# Altium PCB SafeBox_GATE.PcbDoc
Units mm, origin at the board's own origin, x right, y up, seen from the top; angles counter-clockwise.
Board outline 71.12 x 76.68 mm, 2 copper layers (Top Layer, Bottom Layer); 60 components, 94 nets, 266 pads, 34 vias.
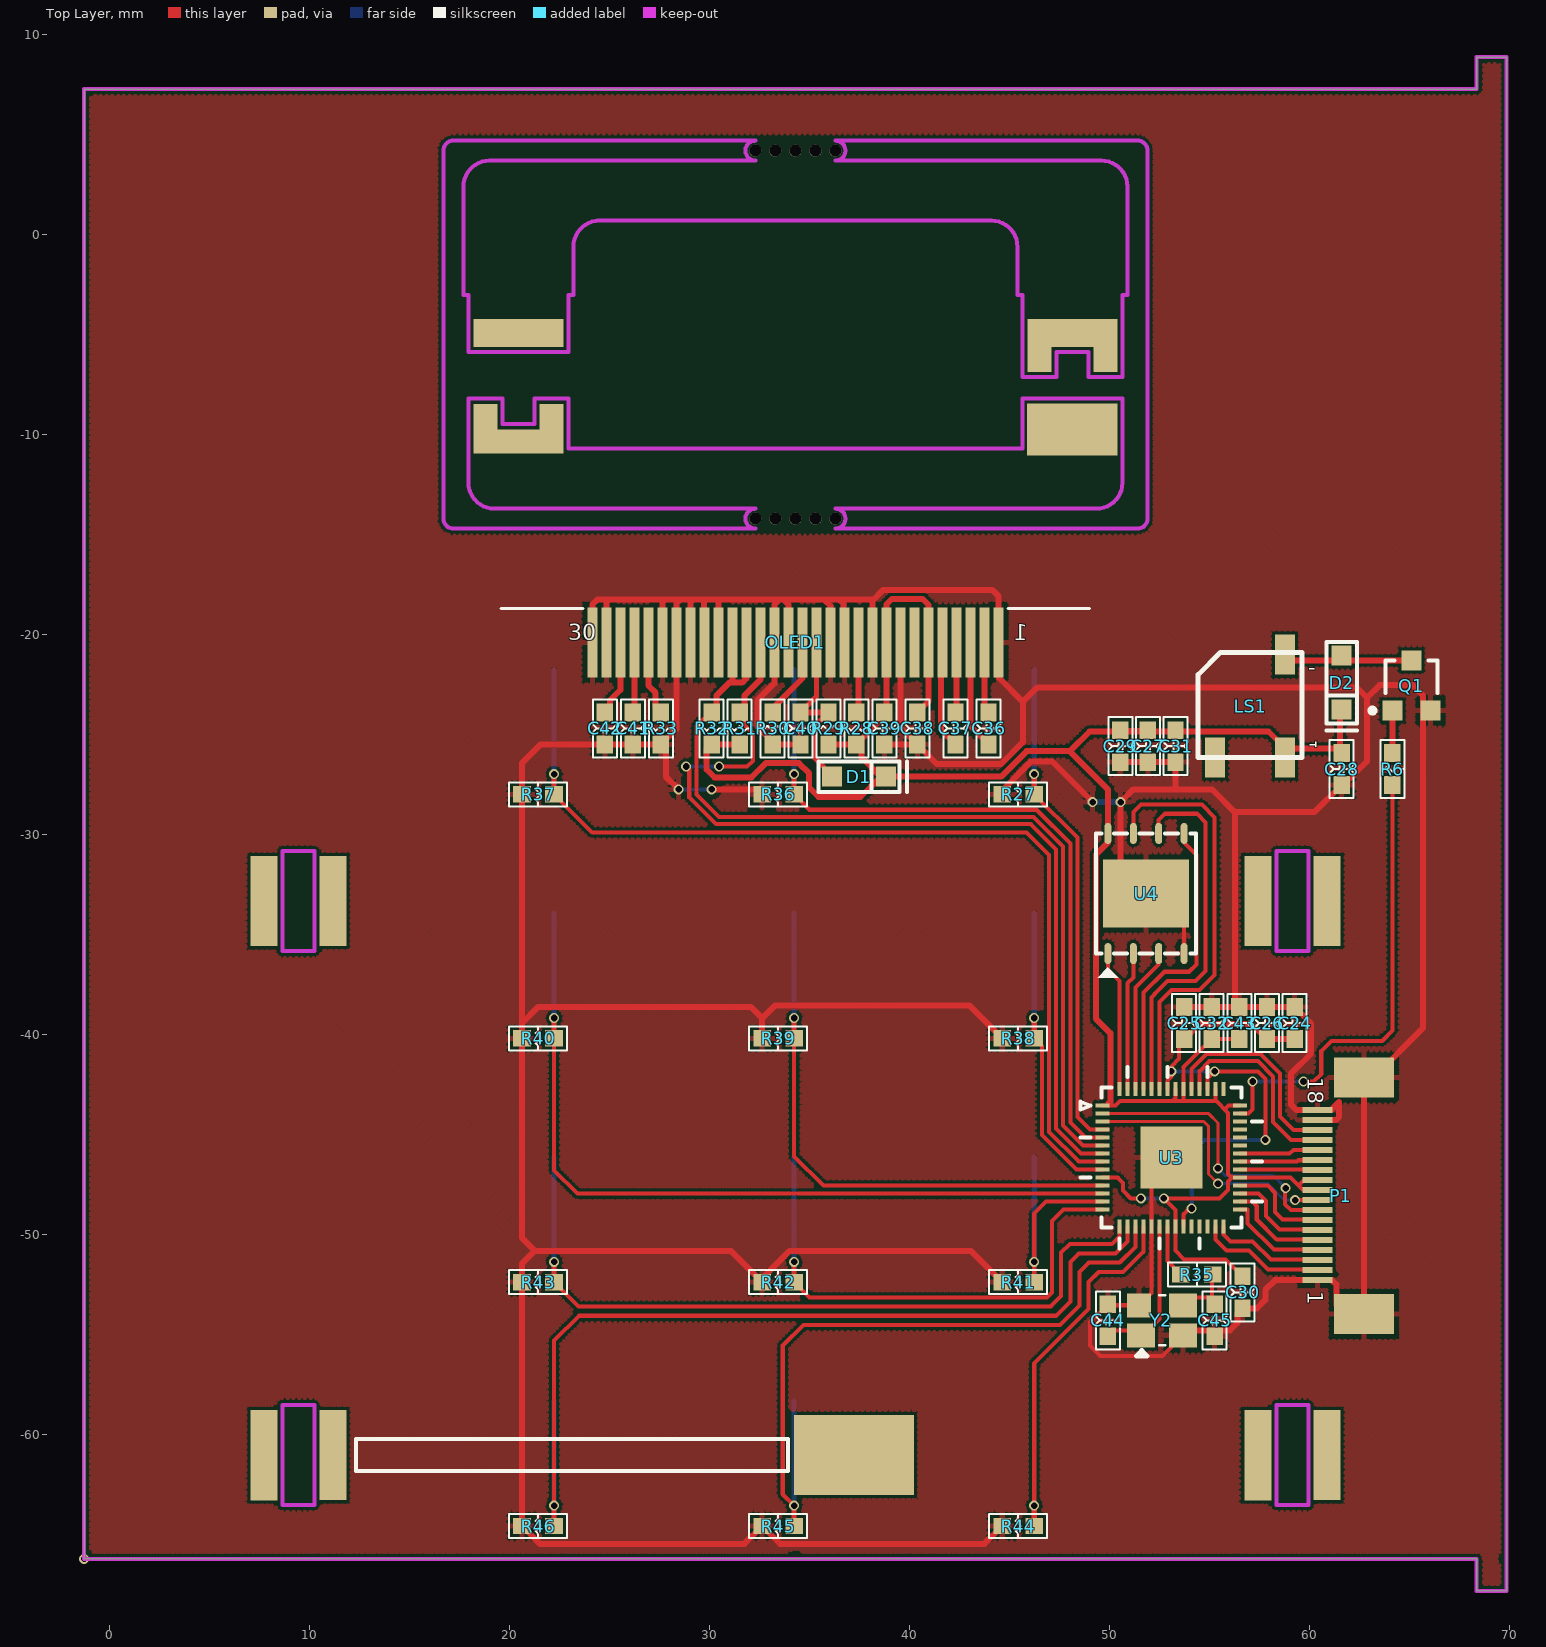
[diagram p0: Top Layer view]
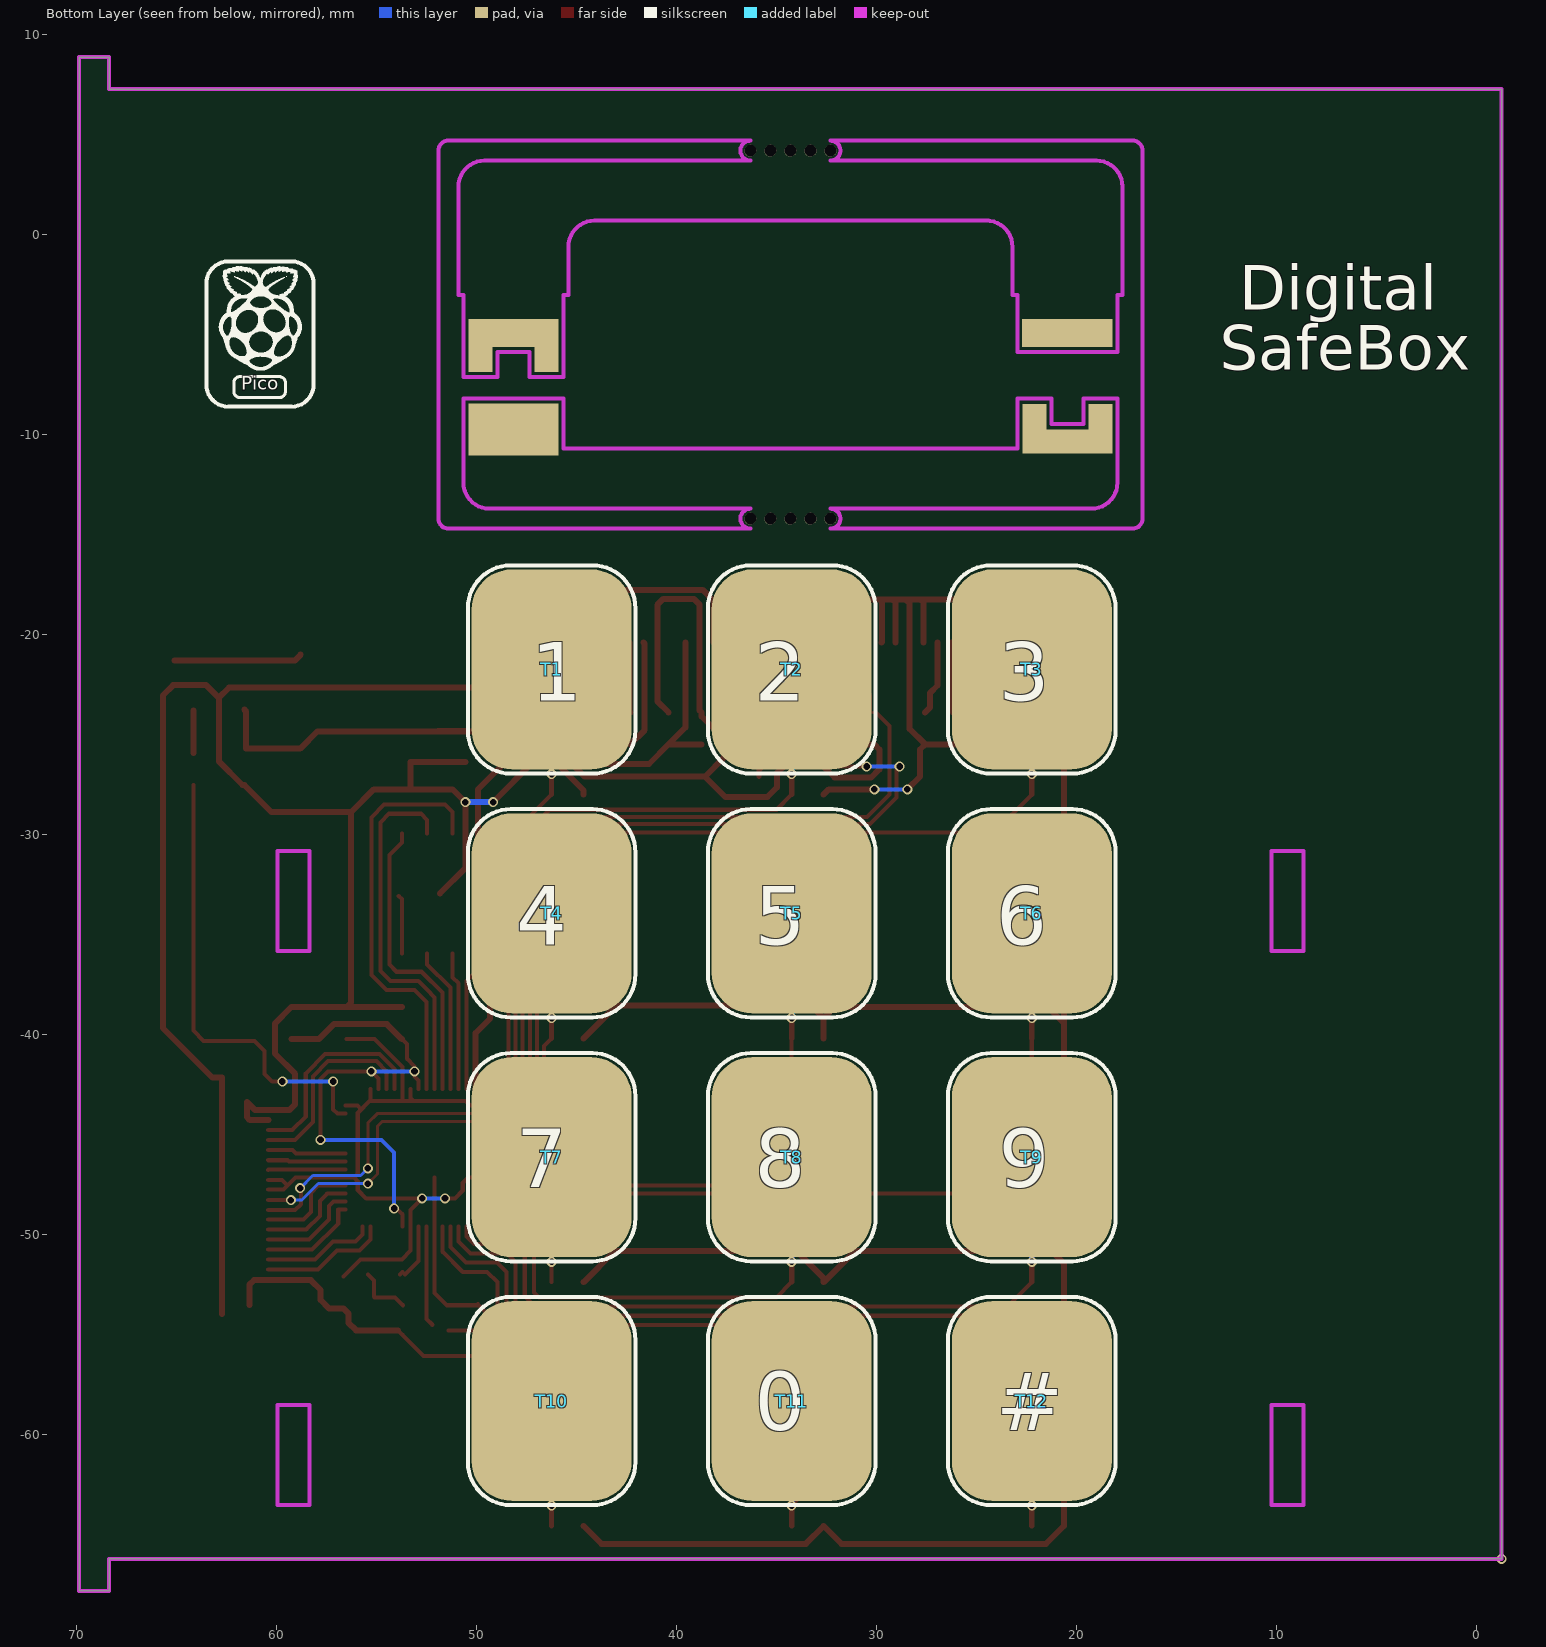
[diagram p1: Bottom Layer view, seen from below]

## Layer stack, top to bottom
Top Layer: signal copper 0.0356
Dielectric: dielectric 0.32, FR-4, Dk 4.8
Bottom Layer: signal copper 0.0356

## Board outline
69.85,-67.81 69.85,8.865 68.35,8.865 68.35,7.265 -1.27,7.265 -1.27,-66.21 68.35,-66.21 68.35,-67.81

## Design rules (kind name [scope] priority, off if disabled: settings)
Clearance [All] p1: gap=0.152
PolygonConnect [All] p1: connectstyle=Relief reliefconductorwidth=0.254 reliefentries=4 polygonreliefangle="90 Angle" airgapwidth=0.254
RoutingVias [All] p1: holewidth=0.711 width=1.27 viastyle="Through Hole" minholewidth=0.711 minwidth=1.27 maxholewidth=0.711 maxwidth=1.27
SolderMaskExpansion [All] p1: expansion=0.102
Width [All] p1: maxlimit=0.3 minlimit=0.152 preferedwidth=0.254
28 further rules are at their usual default settings.

## Components (designator, comment, footprint, x,y, rotation, side; value= is the part's Value field where it differs from the comment)
C24 "1uF" 0603-C 59.245,-39.424 r270 top
C25 "100nF" 0603-C 53.721,-39.424 r270 top
C26 "100nF" 0603-C 57.864,-39.424 r270 top
C27 "22uF" 0603-C 51.911,-25.581 r90 top
C28 "100nF" 0603-C 61.595,-26.724 r90 top
C29 "100nF" 0603-C 50.53,-25.581 r90 top
C30 "100nF" 0603-C 56.642,-52.886 r90 top
C31 "100nF" 0603-C 53.292,-25.581 r90 top
C32 "100nF" 0603-C 55.102,-39.424 r270 top
C36 "1uF" 0603-C 43.942,-24.692 r270 top
C37 "1uF" 0603-C 42.291,-24.692 r270 top
C38 "1uF" 0603-C 40.386,-24.692 r270 top
C39 "1uF" 0603-C 38.735,-24.692 r270 top
C40 "2.2uF" 0603-C 34.544,-24.692 r270 top
C41 "4.7uF" 0603-C 26.162,-24.692 r270 top
C42 "2.2uF" 0603-C 24.765,-24.692 r270 top
C43 "100nF" 0603-C 56.483,-39.424 r270 top
C44 "15pF" 0603-C 49.911,-54.283 r90 top
C45 "15pF" 0603-C 55.245,-54.283 r270 top
D1 "1N4148" SOD-323(1-C,2-A) 37.465,-27.105 r0 top
D2 "1N4148" SOD-323(1-C,2-A) 61.595,-22.406 r270 top
LS1 "Buzzer" "Buzzer 5020 SMT" 57.023,-23.549 r0 top
OLED1 "SSD1306" OLED1.3_SSD1306 34.29,-13.389 r180 top locked
P1 "Header 20" FPC_18PIN 60.396,-48.025 r270 top
Q1 "8050" SOT-23-3 65.024,-22.66 r0 top
R6 "1K" 0603-R 64.135,-26.724 r270 top
R27 "1K" 0603-R 45.428,-27.994 r0 top
R28 "4.7K" 0603-R 37.338,-24.692 r90 top
R29 "4.7K" 0603-R 35.941,-24.692 r270 top
R30 "4.7K" 0603-R 33.147,-24.692 r270 top
R31 "4.7K" 0603-R 31.496,-24.692 r90 top
R32 "4.7K" 0603-R 30.099,-24.692 r90 top
R33 "910K" 0603-R 27.559,-24.692 r90 top
R35 "1K" 0603-R 54.356,-51.997 r180 top
R36 "1K" 0603-R 33.426,-27.994 r0 top
R37 "1K" 0603-R 21.425,-27.994 r0 top
R38 "1K" 0603-R 45.428,-40.186 r0 top
R39 "1K" 0603-R 33.426,-40.186 r0 top
R40 "1K" 0603-R 21.425,-40.186 r0 top
R41 "1K" 0603-R 45.428,-52.378 r0 top
R42 "1K" 0603-R 33.426,-52.378 r0 top
R43 "1K" 0603-R 21.425,-52.378 r0 top
R44 "1K" 0603-R 45.428,-64.57 r0 top
R45 "1K" 0603-R 33.426,-64.57 r0 top
R46 "1K" 0603-R 21.425,-64.57 r0 top
T1 "TOUCH PADS" "Touch PADS" 46.228,-21.744 r180 bottom
T2 "TOUCH PADS" "Touch PADS" 34.227,-21.744 r180 bottom
T3 "TOUCH PADS" "Touch PADS" 22.225,-21.744 r180 bottom
T4 "TOUCH PADS" "Touch PADS" 46.228,-33.936 r180 bottom
T5 "TOUCH PADS" "Touch PADS" 34.227,-33.936 r180 bottom
T6 "TOUCH PADS" "Touch PADS" 22.225,-33.936 r180 bottom
T7 "TOUCH PADS" "Touch PADS" 46.228,-46.128 r180 bottom
T8 "TOUCH PADS" "Touch PADS" 34.227,-46.128 r180 bottom
T9 "TOUCH PADS" "Touch PADS" 22.225,-46.128 r180 bottom
T10 "TOUCH PADS" "Touch PADS" 46.228,-58.32 r180 bottom
T11 "TOUCH PADS" "Touch PADS" 34.227,-58.32 r180 bottom
T12 "TOUCH PADS" "Touch PADS" 22.225,-58.32 r180 bottom
U3 "RP2040" QFN56(0.4/7X7) 53.086,-46.155 r0 top locked
U4 "W25Q16JVZPIM" WSON8(6X5_1.27) 51.816,-32.947 r90 top
Y2 "12MHz" OSC-TZ1067B 52.618,-54.283 r0 top

## Footprints (in the part's own frame and the unit in brackets; to place one, negate y for a bottom-side part, rotate by r counter-clockwise, add the part's x,y. Pads: shape width x height; smd on the part's side, far side on the other; paste and mask are expansions set on the pad)
0603-C [mm]
  rect 0.89x0.82 smd: 1(-0.8,0) 2(0.8,0)
  silkscreen extent -1.45,-0.6 1.45,0.6, body extent -0.93,-0.41 0.93,0.41, height 0.81
0603-R [mm]
  rect 0.89x0.82 smd: 1(-0.8,0) 2(0.8,0)
  silkscreen extent -1.45,-0.6 1.45,0.6, body extent -0.82,-0.41 0.82,0.41, height 0.46
"Buzzer 5020 SMT" [mm] "Buzzer 5020 SMT"
  rect 1x2 smd: 1(1.75,2.54) 2(1.75,-2.6) ""(-1.75,-2.6)
  silkscreen extent -2.6,-2.6 2.6,2.66, body extent -2.6,-2.6 2.6,2.6, height 2.1
FPC_18PIN [mm] "FPC_18PIN"
  rect 0.3x1.5 smd: 1(4.25,0) 2(3.75,0) 3(3.25,0) 4(2.75,0) 5(2.25,0) 6(1.75,0) 7(1.25,0) 8(0.75,0) 9(0.25,0) 10(-0.25,0) 11(-0.75,0) 12(-1.25,0) 13(-1.75,0) 14(-2.25,0) 15(-2.75,0) 16(-3.25,0) 17(-3.75,0) 18(-4.25,0)
  rect 2x3 smd: 19(5.94,2.325) 20(-5.881,2.325)
  body extent -5.48,0.56 5.52,3.56, height 1.2
OLED1.3_SSD1306 [mm] "OLED1.3_SSD1306"
  rect 0.5x3.5 smd: 1(-10.15,7) 2(-9.45,7) 3(-8.75,7) 4(-8.05,7) 5(-7.35,7) 6(-6.65,7) 7(-5.95,7) 8(-5.25,7) 9(-4.55,7) 10(-3.85,7) 11(-3.15,7) 12(-2.45,7) 13(-1.75,7) 14(-1.05,7) 15(-0.35,7) 16(0.35,7) 17(1.05,7) 18(1.75,7) 19(2.45,7) 20(3.15,7) 21(3.85,7) 22(4.55,7) 23(5.25,7) 24(5.95,7) 25(6.65,7) 26(7.35,7) 27(8.05,7) 28(8.75,7) 29(9.45,7) 30(10.15,7)
  silkscreen extent -14.71,5.3 14.71,5.3
OSC-TZ1067B [mm]
  rect 1.4x1.2 smd: 1(-1.05,-0.75) 2(1.05,-0.75) 3(1.05,0.75)
  rect 1.2x1.2 smd: 4(-1.15,0.75)
  silkscreen extent -1.27,-1.78 0.15,1.25, body extent -1.7,-1.35 1.7,1.35, height 1.06
QFN56(0.4/7X7) [mm]
  rect 0.7x0.2 smd: 1(-3.44,2.6) 2(-3.44,2.2) 3(-3.44,1.8) 4(-3.44,1.4) 5(-3.44,1) 6(-3.44,0.6) 7(-3.44,0.2) 8(-3.44,-0.2) 9(-3.44,-0.6) 10(-3.44,-1) 11(-3.44,-1.4) 12(-3.44,-1.8) 13(-3.44,-2.2) 14(-3.44,-2.6) 29(3.44,-2.6) 30(3.44,-2.2) 31(3.44,-1.8) 32(3.44,-1.4) 33(3.44,-1) 34(3.44,-0.6) 35(3.44,-0.2) 36(3.44,0.2) 37(3.44,0.6) 38(3.44,1) 39(3.44,1.4) 40(3.44,1.8) 41(3.44,2.2) 42(3.44,2.6)
  rect 0.2x0.7 smd: 15(-2.6,-3.44) 16(-2.2,-3.44) 17(-1.8,-3.44) 18(-1.4,-3.44) 19(-1,-3.44) 20(-0.6,-3.44) 21(-0.2,-3.44) 22(0.2,-3.44) 23(0.6,-3.44) 24(1,-3.44) 25(1.4,-3.44) 26(1.8,-3.44) 27(2.2,-3.44) 28(2.6,-3.44) 43(2.6,3.44) 44(2.2,3.44) 45(1.8,3.44) 46(1.4,3.44) 47(1,3.44) 48(0.6,3.44) 49(0.2,3.44) 50(-0.2,3.44) 51(-0.6,3.44) 52(-1,3.44) 53(-1.4,3.44) 54(-1.8,3.44) 55(-2.2,3.44) 56(-2.6,3.44)
  rect 3.1x3.1 smd: 57(0,0)
  silkscreen extent -4.54,-4.54 4.54,4.54, body extent -3.5,-3.5 3.5,3.5, height 0.8
SOD-323(1-C,2-A) [mm]
  rect 1x1 smd: 1(1.35,0) 2(-1.35,0)
  silkscreen extent -2.03,-0.76 2.4,0.76, body extent -1.35,-0.68 1.35,0.67, height 0.79
SOT-23-3 [mm]
  rect 1x1 smd: 1(-0.889,-1.143) 2(1.011,-1.143) 3(0.061,1.357)
  silkscreen extent -2.01,-1.27 1.36,1.36, body extent -1.39,-1.29 1.51,1.51, height 1.2
"Touch PADS" [mm] "Touch PADS"
  rrect50% 8x10 smd: 1(0,0)
  silkscreen extent -4.19,-5.21 4.19,5.21
WSON8(6X5_1.27) [mm]
  oval 1.05x0.35 smd mask+0.05: 1(-3,1.905) 2(-3,0.635) 3(-3,-0.635) 4(-3,-1.905) 5(3,-1.905) 6(3,-0.635) 7(3,0.635) 8(3,1.905)
  rect 3.4x4.3 smd mask+0.05: 9(0,0)
  silkscreen extent -4.2,-2.5 3,2.5, body extent -3,-2.5 3,2.5, height 0.8

## Part data
C24 C25 C26 C27 C28 C29 C30 C31 C32 C36 C37 C38 C39 C40 C41 C42 C43 C44 C45: library part CAP-0402, "Ceramic CAP 0402(1005)"
D1 D2: library part DIODE-BAT60A, "Silicon Schottky Diode"
LS1: "Magnetic Transducer Buzzer"
P1: "Header, 20-Pin"
Q1: library part NPN, "NPN Bipolar Transistor"
R6 R27 R28 R29 R30 R31 R32 R33 R35 R36 R37 R38 R39 R40 R41 R42 R43 R44 R45 R46: library part RES-0402, "0603-R"
U3: "Raspverry Pi, Dual ARM Cortex-M0+ @ 133MHz"
U4: "3V 16M-BIT / SERIAL FLASH MEMORY WITH / DUAL/QUAD SPI, QPI & DTR"
Y2: library part OSC-TZ1067B-12MHz, "X-tal 12MHz,3.2x2.5 SMD, CL=20pF"

## Free pads (board coordinates)
  rect 0.6x0.6 on Bottom Overlay: 2(44.776,-59.046) 2(44.776,-57.594) 2(45.502,-58.32) 2(46.228,-59.772) 2(46.228,-59.046) 2(46.228,-58.32) 2(46.228,-57.594) 2(46.228,-56.868) 2(46.954,-58.32) 2(47.68,-59.046) 2(47.68,-57.594)
  rect 1.35x4.51 smd: ""(7.715,-61.029) ""(7.715,-33.328) ""(11.176,-61.025) ""(11.176,-33.325) ""(57.404,-61.029) ""(57.404,-33.328) ""(60.865,-61.025) ""(60.865,-33.325)
  rect 1.2x2.4 smd: ""(18.796,-9.664) ""(22.098,-9.664) ""(46.482,-5.68) ""(49.784,-5.68)
  rect 1.2x2.4 smd far side: ""(18.796,-9.664) ""(22.098,-9.664) ""(46.482,-5.68) ""(49.784,-5.68)
  rect 4.502x1.2 smd: ""(20.447,-10.341)
  rect 4.502x1.2 smd far side: ""(20.447,-10.341)
  rect 4.51x1.4 smd: ""(20.447,-4.927)
  rect 4.51x1.4 smd far side: ""(20.447,-4.927)
  round 0.6 hole 0.6 unplated: ""(32.289,-14.207) ""(32.289,4.193) ""(33.29,-14.207) ""(33.29,4.193) ""(34.29,-14.207) ""(34.29,4.193) ""(35.29,-14.207) ""(35.29,4.193) ""(36.291,-14.207) ""(36.291,4.193)
  rect 6x4 smd: ""(37.211,-61.027)
  rect 4.51x2.6 smd: ""(48.133,-9.747)
  rect 4.51x2.6 smd far side: ""(48.133,-9.747)
  rect 4.502x1.4 smd: ""(48.133,-4.927)
  rect 4.502x1.4 smd far side: ""(48.133,-4.927)

## Via types
v1: diameter 0.5, hole 0.33, Top Layer to Bottom Layer, tented both sides, 34 vias

## Nets (pads, with @x,y where several pads share a name; then routed paths per layer and width w, separated by ;. In a path a pad name is that pad's centre, name@x,y a point inside that pad or via, vN(x,y) a via of type N, cw(c..) or ccw(c..) an arc to the next point about the centre after c; other vN are vias at no path point)
1V1: C24.2 C25.2 C26.2 U3.23 U3.45 U3.50 | length 25.7
  Top Layer w0.203: U3.50 52.886,-42.306 53.086,-42.106 v1(53.086,-41.837) 53.086,-41.589 53.467,-41.208 53.467,-40.478 C25.2 ; U3.23 53.686,-48.984 v1@53.975,-48.695 ; U3.45 54.886,-42.196 v1(55.245,-41.837) 57.409,-41.837 57.785,-42.213 v1(57.785,-45.266)
  Top Layer w0.3: C25.2 54.468,-39.477 57.117,-39.477 C26.2 C24.2
  Bottom Layer w0.203: v1(53.086,-41.837) v1(55.245,-41.837) ; v1(54.102,-48.695) 54.102,-45.901 54.737,-45.266 v1(57.785,-45.266)
1V2A: 
1V2D: 
1V2O: 
3V3: C27.2 C28.2 C29.2 C30.2 C31.2 C32.2 C38.1 C39.1 C43.2 D1.1 D2.1 LS1.2 OLED1.6 OLED1.9 P1.10 P1.11 R28.1 R29.2 R31.1 R32.1 U3.1 U3.10 U3.22 U3.33 U3.42 U3.44 U3.48 U3.49 U4.8 | length 117.6
  Top Layer w0.203: U3.10 50.403,-47.155 50.673,-47.425 50.673,-47.806 51.054,-48.187 v1(51.562,-48.187) ; U3.1 50.292,-43.555 50.528,-43.319 53.147,-43.319 ; C29.2 C27.2 ; C27.2@51.911,-24.895 C31.2@53.292,-24.895 ; U3.49 53.286,-43.18 53.147,-43.319 ; U3.44 55.286,-43.275 ; 55.753,-43.742 55.94,-43.555 U3.42 ; C43.2 C32.2 55.09,-40.224 53.686,-41.628 U3.48 53.686,-43.319 ; C30.2 55.791,-51.235 53.721,-51.235 53.286,-50.8 U3.22 53.286,-48.768 v1(52.705,-48.187) 55.499,-48.187 55.922,-47.764 55.922,-47.35 56.117,-47.155 ; 59.436,-47.552 59.713,-47.275 P1.11 ; P1.10@60.396,-47.755 59.639,-47.755 59.039,-47.155 U3.33 56.117,-47.155 ; 53.147,-43.319 53.686,-43.319 ; 53.686,-43.319 55.242,-43.319 55.286,-43.275 ; 55.286,-43.275 55.922,-43.911 55.922,-46.96 56.071,-47.109 56.083,-47.109 56.083,-47.121 56.117,-47.155
  Top Layer w0.3: R31.1 R32.1 29.845,-25.746 29.845,-26.743 30.251,-27.149 32.087,-27.149 32.81,-26.426 34.455,-26.426 34.974,-26.944 34.974,-27.646 35.449,-28.121 37.545,-28.121 D1.1@38.561,-27.105 ; R29.2 R28.1 ; C38.1 40.94,-23.338 OLED1.6 40.94,-18.515 40.64,-18.215 39.116,-18.215 38.84,-18.491 OLED1.9 38.84,-23.787 C39.1 38.735,-24.095 37.592,-25.238 37.592,-26.136 D1.1@38.561,-27.105 ; U3.1@49.911,-43.488 50.038,-43.361 50.038,-39.932 49.31,-39.204 49.31,-31.008 49.911,-30.407 U4.8 49.911,-27.74 48.006,-25.835 ; D2.1 61.506,-23.845 61.506,-25.708 58.801,-25.708 57.94,-24.847 48.994,-24.847 48.006,-25.835 ; D1.1@38.561,-27.105 44.577,-27.105 45.847,-25.835 48.006,-25.835
  Bottom Layer w0.203: v1(51.562,-48.187) v1(52.705,-48.187)
3V3A: 
5V0: 
ACTN: 
ALARM: R6.2 U3.41 | length 23.1
  Top Layer w0.203: U3.41 56.937,-43.955 57.15,-43.742 v1(57.15,-42.345) ; v1(59.69,-42.345) 60.198,-42.345 60.579,-41.964 60.579,-40.821 61.087,-40.313 63.627,-40.313 64.135,-39.805 R6.2
  Bottom Layer w0.203: v1(57.15,-42.345) v1(59.69,-42.345)
CHGND: 
D0: 
D1: 
D2: 
D3: 
D4: 
D5: 
D6: 
D7: 
ETH_MISO: P1.2 U3.27 | length 6.4
  Top Layer w0.203: U3.27 55.286,-50.248 55.842,-50.803 56.961,-50.803 57.912,-51.755 P1.2@60.396,-51.755
ETH_MOSI: P1.5 U3.30 | length 5.1
  Top Layer w0.203: U3.30 57.143,-48.355 57.353,-48.566 57.353,-49.256 58.352,-50.255 P1.5@60.396,-50.255
ETH_RSTN: P1.6 U3.31 | length 5.1
  Top Layer w0.203: U3.31 57.446,-47.955 57.81,-48.319 57.81,-49.067 58.499,-49.755 P1.6@60.396,-49.755
ETH_SCLK: P1.4 U3.29 | length 5.1
  Top Layer w0.203: U3.29 56.896,-48.755 56.896,-49.445 58.206,-50.755 P1.4@60.396,-50.755
ETH_SCSN: P1.3 U3.28 | length 5.6
  Top Layer w0.203: U3.28 55.686,-50.001 56.031,-50.346 57.15,-50.346 58.059,-51.255 P1.3@60.396,-51.255
GND: C24.1 C25.1 C26.1 C27.1 C28.1 C29.1 C30.1 C31.1 C32.1 C38.2 C39.2 C40.2 C41.2 C42.2 C43.1 C44.2 C45.2 OLED1.1 OLED1.8 OLED1.10 OLED1.12 OLED1.13 OLED1.16 OLED1.17 OLED1.21 OLED1.22 OLED1.23 OLED1.24 OLED1.25 OLED1.29 OLED1.30 P1.1 P1.17 P1.18 P1.19 P1.20 Q1.2 R27.1 R30.2 R33.1 R36.1 R37.1 R38.1 R39.1 R40.1 R41.1 R42.1 R43.1 R44.1 R45.1 R46.1 U3.19 U3.57 U4.4 U4.9 Y2.2 Y2.4 | length 353.1
  Top Layer w0.203: U3.57@52.086,-47.155 U3.19 52.086,-52.915 Y2.4 49.961,-53.533 C44.2 49.022,-54.372 49.022,-55.553 49.53,-56.061 52.64,-56.061 Y2.2 Y2.2@53.91,-54.791 ; U4.4 53.721,-33.226 U4.9@53.873,-33.074
  Top Layer w0.3: OLED1.30 24.14,-18.499 24.384,-18.255 24.979,-18.255 ; OLED1.29 24.84,-18.394 24.979,-18.255 ; OLED1.25 27.64,-18.388 27.773,-18.255 ; v1(28.448,-27.74) 27.813,-27.105 27.813,-25.746 R33.1 ; OLED1.23 29.04,-18.385 29.17,-18.255 ; OLED1.22 29.718,-20.367 29.718,-18.342 29.805,-18.255 ; v1(30.099,-27.74) 32.372,-27.74 R36.1 ; OLED1.21 30.44,-18.255 ; R39.1 32.626,-39.182 ; 33.401,-18.342 33.24,-18.503 OLED1.17 33.24,-22.44 32.385,-23.295 32.385,-24.595 33.147,-25.357 R30.2 C40.2 ; OLED1.16 33.94,-18.5 33.695,-18.255 ; OLED1.13 36.04,-18.624 36.068,-18.596 35.727,-18.255 ; OLED1.12 36.703,-20.352 36.703,-18.469 36.489,-18.255 ; OLED1.10 38.14,-18.302 ; C39.2 C38.2 ; OLED1.8 39.54,-24.646 C38.2 ; R44.1 43.739,-65.459 33.515,-65.459 R45.1 31.737,-65.459 21.514,-65.459 R46.1 R43.1 20.625,-51.438 21.253,-50.81 ; R41.1 43.06,-50.81 33.998,-50.81 32.626,-52.181 R42.1 31.058,-50.81 21.253,-50.81 ; R38.1 42.977,-38.535 33.274,-38.535 32.626,-39.182 ; R27.1 44.628,-27.797 46.082,-26.343 47.117,-26.343 v1(49.149,-28.375) ; C29.1 C27.1 C31.1 53.292,-27.688 ; U4.9 50.546,-31.677 v1(50.546,-28.375) 51.186,-27.735 55.113,-27.735 56.261,-28.883 ; C25.1 C32.1 C43.1 ; Y2.2@53.91,-54.791 56.007,-54.791 56.388,-54.41 56.388,-53.94 C30.1 57.366,-53.686 57.785,-53.267 57.785,-52.759 58.269,-52.275 P1.1 61.111,-52.275 61.341,-52.505 P1.19@61.341,-53.521 ; P1.17 61.316,-44.275 61.468,-44.123 61.468,-43.361 61.054,-43.775 P1.18 59.342,-43.775 59.055,-43.488 59.055,-41.964 60.071,-40.948 60.071,-39.449 C24.1 C26.1 C43.1 ; P1.19 P1.20 63.193,-42.144 65.659,-39.678 65.659,-23.041 65.151,-22.533 63.5,-22.533 62.865,-23.168 ; 20.625,-39.424 21.431,-38.618 32.062,-38.618 32.626,-39.182 ; 20.625,-39.424 R37.1 20.625,-26.419 21.552,-25.492 C42.2 C41.2 R33.1 ; 20.625,-39.424 R40.1 20.625,-50.181 21.253,-50.81 ; 24.979,-18.255 27.773,-18.255 ; R33.1 28.34,-24.711 OLED1.24 28.34,-18.45 28.535,-18.255 ; 27.773,-18.255 28.535,-18.255 ; 28.535,-18.255 29.17,-18.255 ; 29.17,-18.255 29.805,-18.255 ; 29.805,-18.255 30.44,-18.255 ; 30.44,-18.255 33.695,-18.255 ; 33.695,-18.255 35.727,-18.255 ; 35.727,-18.255 36.489,-18.255 ; 36.489,-18.255 38.093,-18.255 38.14,-18.302 ; 38.14,-18.302 38.679,-17.763 44.125,-17.763 44.45,-18.088 44.45,-20.379 OLED1.1 44.44,-22.142 45.66,-23.362 ; C38.2 41.364,-26.47 44.572,-26.47 45.66,-25.383 45.66,-23.362 ; 45.66,-23.362 46.361,-22.66 62.357,-22.66 62.865,-23.168 ; 56.261,-28.883 56.261,-38.402 C43.1 ; 56.261,-28.883 60.236,-28.883 C28.1 61.684,-27.524 62.865,-26.343 62.865,-23.168
  Bottom Layer w0.203: v1(28.448,-27.74) v1(30.099,-27.74)
  Bottom Layer w0.3: v1(49.149,-28.375) v1(50.546,-28.375)
INTN: 
LCD_RST: C40.1 D1.2 OLED1.14 R29.1 | length 9
  Top Layer w0.254: C40.1 35.34,-23.096 OLED1.14 ; D1.2@35.861,-27.105 35.861,-26.771 35.233,-26.143 35.233,-24.6 R29.1
  Top Layer w0.3: C40.1 R29.1
LCD_SCL: OLED1.18 R31.2 U3.7 | length 47.7
  Top Layer w0.203: v1(28.829,-26.597) 28.981,-26.749 28.981,-28.141 30.311,-29.471 46.052,-29.471 47.32,-30.739 47.32,-44.702 48.573,-45.955 U3.7 ; v1(30.48,-26.597) 31.877,-26.597 32.16,-26.314 32.16,-24.942 31.75,-24.532 R31.2@31.75,-23.803
  Top Layer w0.3: R31.2@31.75,-23.803 31.75,-23.041 32.54,-22.251 OLED1.18
  Bottom Layer w0.203: v1(28.829,-26.597) v1(30.48,-26.597)
LCD_SDA: OLED1.19 OLED1.20 R32.2 U3.6 | length 46.6
  Top Layer w0.203: R32.2 30.01,-23.892 29.337,-24.565 29.337,-27.994 30.458,-29.115 46.2,-29.115 47.676,-30.591 47.676,-44.555 48.676,-45.555 U3.6
  Top Layer w0.3: R32.2@30.353,-23.892 30.353,-23.041 30.988,-22.406 31.623,-22.406 31.84,-22.189 OLED1.19 ; 31.14,-22.254 OLED1.20
LINKN: 
MDI_R_N: 
MDI_R_P: 
MDI_T_N: 
MDI_T_P: 
NetC11_2: 
NetC12_2: 
NetC14_2: 
NetC15_2: 
NetC23_2: 
NetC36_1: C36.1 OLED1.2 | length 3.6
  Top Layer w0.3: OLED1.2 43.74,-23.69 C36.1
NetC36_2: C36.2 OLED1.3 | length 5.5
  Top Layer w0.3: OLED1.3 43.04,-24.59 C36.2
NetC37_1: C37.1 OLED1.4 | length 3.5
  Top Layer w0.3: C37.1 42.34,-23.843 OLED1.4
NetC37_2: C37.2 OLED1.5 | length 5.4
  Top Layer w0.3: OLED1.5 41.579,-20.45 41.579,-24.78 C37.2
NetC41_1: C41.1 OLED1.27 | length 3.5
  Top Layer w0.3: C41.1 26.24,-23.814 OLED1.27
NetC42_1: C42.1 OLED1.28 | length 3.8
  Top Layer w0.3: C42.1 25.019,-23.638 25.019,-23.295 25.54,-22.774 OLED1.28
NetC45_1: C45.1 R35.1 Y2.3 | length 2.9
  Top Layer w0.203: Y2.3 54.061,-53.14 55.08,-53.14 55.118,-53.102 55.118,-52.289 R35.1@55.41,-51.997
NetD2_2: D2.2 LS1.1 Q1.3 | length 6.4
  Top Layer w0.3: LS1.1 59.067,-21.303 Q1.3
NetJ1_L2: 
NetJ1_L3: 
NetJ2_A5: 
NetJ2_B5: 
NetM1_21: 
NetM1_22: 
NetOLED1_11: OLED1.11 R28.2 | length 3.5
  Top Layer w0.3: R28.2 37.44,-23.79 OLED1.11
NetOLED1_15: OLED1.15 R30.1 | length 4.1
  Top Layer w0.3: R30.1 33.147,-23.676 34.64,-22.183 OLED1.15
NetOLED1_26: OLED1.26 R33.2 | length 3.8
  Top Layer w0.3: OLED1.26 26.94,-22.549 27.305,-22.914 27.305,-23.638 R33.2
NetQ1_1: Q1.1 R6.1 | length 2.1
  Top Layer w0.3: R6.1 Q1.1
NetR3_1: 
NetR4_1: 
NetR5_1: 
NetR7_1: 
NetR12_2: 
NetR17_1: 
NetR17_2: 
PWM: P1.7 U3.32 | length 5.1
  Top Layer w0.203: U3.32 57.915,-47.555 58.268,-47.908 58.268,-48.877 58.645,-49.255 P1.7@60.396,-49.255
QSPI1_SCLK: U3.52 U4.6 | length 18.6
  Top Layer w0.203: U3.52 52.086,-38.138 52.261,-37.963 ; 52.255,-37.958 52.897,-37.316 54.294,-37.316 54.788,-36.822 54.788,-29.391 54.356,-28.959 52.756,-28.959 52.451,-29.264 U4.6
QSPI1_SD0: U3.53 U4.5 | length 14.8
  Top Layer w0.203: U3.53 51.686,-37.903 52.73,-36.859 53.975,-36.859 54.331,-36.503 54.331,-31.017 53.721,-30.407 U4.5
QSPI1_SD1: U3.55 U4.2 | length 6.9
  Top Layer w0.203: U3.55 50.886,-37.433 51.181,-37.138 U4.2
QSPI1_SD2: U3.54 U4.3 | length 7.3
  Top Layer w0.203: U3.54 51.286,-37.656 52.451,-36.491 U4.3
QSPI1_SD3: U3.51 U4.7 | length 21.1
  Top Layer w0.203: U4.7 51.181,-28.883 51.562,-28.502 54.61,-28.502 55.245,-29.137 55.245,-37.011 54.483,-37.773 53.086,-37.773 52.486,-38.373 U3.51
QSPI1_SS_N: U3.56 U4.1 | length 7
  Top Layer w0.203: U4.1 49.911,-36.757 50.486,-37.332 U3.56
RUN: U3.26
SWCLK: U3.24
SWDIO: U3.25
TOUCH_OUT: P1.12 U3.34 | length 3.9
  Top Layer w0.203: U3.34 60.376,-46.755 P1.12
TOUCH_RX: P1.14 U3.36 | length 3.9
  Top Layer w0.203: U3.36 59.001,-45.955 59.182,-45.774 P1.14
TOUCH_TX: P1.13 U3.35 | length 3.9
  Top Layer w0.203: U3.35 59.363,-46.355 59.436,-46.282 60.389,-46.282 P1.13
TP_0: R45.2 T11.1 U3.17 | length 36.2
  Top Layer w0.203: v1(34.227,-63.554) 33.655,-62.982 33.655,-55.553 34.693,-54.515 47.508,-54.515 48.489,-53.535 48.489,-51.87 48.954,-51.404 50.504,-51.404 51.286,-50.622 U3.17
  Top Layer w0.254: R45.2 v1(34.227,-63.554)
  Bottom Layer w0.254: v1(34.227,-63.554) T11.1
TP_1: R27.2 T1.1 U3.4 | length 25.3
  Top Layer w0.203: R27.2 48.387,-30.153 48.387,-44.123 49.019,-44.755 ; 49.276,-44.755 49.019,-44.755 ; U3.4@49.908,-44.755 49.019,-44.755
  Top Layer w0.254: R27.2 v1(46.228,-26.978)
  Bottom Layer w0.254: v1(46.228,-26.978) T1.1
TP_2: R36.2 T2.1 U3.5 | length 37
  Top Layer w0.203: R36.2 34.992,-28.76 46.347,-28.76 48.031,-30.444 48.031,-44.402 48.784,-45.155 U3.5
  Top Layer w0.254: R36.2 v1(34.227,-26.978)
  Bottom Layer w0.254: v1(34.227,-26.978) T2.1
TP_3: R37.2 T3.1 U3.8 | length 49.4
  Top Layer w0.203: R37.2 24.13,-29.899 45.847,-29.899 46.965,-31.017 46.965,-44.865 48.455,-46.355 U3.8
  Top Layer w0.254: R37.2 v1(22.225,-26.978)
  Bottom Layer w0.254: v1(22.225,-26.978) T3.1
TP_4: R38.2 T4.1 U3.9 | length 15
  Top Layer w0.203: R38.2 46.609,-40.567 46.609,-45.012 48.352,-46.755 U3.9
  Top Layer w0.254: R38.2 v1(46.228,-39.17)
  Bottom Layer w0.254: v1(46.228,-39.17) T4.1
TP_5: R39.2 T5.1 U3.11 | length 28.2
  Top Layer w0.203: R39.2 34.227,-46.091 35.69,-47.555 U3.11
  Top Layer w0.254: R39.2 v1(34.227,-39.17)
  Bottom Layer w0.254: v1(34.227,-39.17) T5.1
TP_6: R40.2 T6.1 U3.12 | length 40.8
  Top Layer w0.203: R40.2 22.225,-46.79 23.39,-47.955 U3.12
  Top Layer w0.254: R40.2 v1(22.225,-39.17)
  Bottom Layer w0.254: v1(22.225,-39.17) T6.1
TP_7: R41.2 T7.1 U3.13 | length 12.3
  Top Layer w0.203: R41.2 v1(46.228,-51.362) 46.228,-48.949 46.822,-48.355 U3.13
  Bottom Layer w0.254: v1(46.228,-51.362) T7.1
TP_8: R42.2 T8.1 U3.14 | length 25.9
  Top Layer w0.203: R42.2 34.992,-53.144 46.863,-53.144 47.117,-52.89 47.117,-49.33 47.692,-48.755 U3.14
  Top Layer w0.254: R42.2 v1(34.227,-51.362)
  Bottom Layer w0.254: v1(34.227,-51.362) T8.1
TP_9: R43.2 T9.1 U3.15 | length 38.2
  Top Layer w0.203: R43.2 23.448,-53.601 47.052,-53.601 47.574,-53.079 47.574,-50.905 48.006,-50.473 50.105,-50.473 50.486,-50.092 U3.15
  Top Layer w0.254: R43.2 v1(22.225,-51.362)
  Bottom Layer w0.254: v1(22.225,-51.362) T9.1
TP_#: R46.2 T12.1 U3.16 | length 47.1
  Top Layer w0.203: v1(22.225,-63.554) 22.225,-55.299 23.466,-54.058 47.319,-54.058 48.031,-53.345 48.031,-51.362 48.455,-50.939 50.286,-50.939 50.886,-50.339 U3.16
  Top Layer w0.254: R46.2 v1(22.225,-63.554)
  Bottom Layer w0.254: v1(22.225,-63.554) T12.1
TP_*: R44.2 T10.1 U3.18 | length 17.9
  Top Layer w0.203: v1(46.228,-63.554) 46.228,-56.442 48.946,-53.724 48.946,-52.378 49.454,-51.87 50.673,-51.87 51.686,-50.857 U3.18
  Top Layer w0.254: R44.2 v1(46.228,-63.554)
UART1_RX: P1.9 U3.3 | length 13.8
  Top Layer w0.152: U3.3 54.715,-44.355 54.939,-44.579 54.939,-46.972 v1(55.418,-47.45)
  Top Layer w0.203: v1(59.27,-48.275) P1.9
  Bottom Layer w0.152: v1(55.418,-47.45) 57.895,-47.45 58.72,-48.275 v1(59.27,-48.275)
  Bottom Layer w0.203: v1@55.372,-47.45 v1@55.395,-47.427
UART1_TX: P1.8 U3.2 | length 14.6
  Top Layer w0.152: U3.2 54.95,-43.955 55.418,-44.423 v1(55.418,-46.688)
  Top Layer w0.203: v1(58.801,-47.679) 58.766,-47.714 58.766,-48.483 59.061,-48.779 60.392,-48.779 P1.8
  Bottom Layer w0.152: v1(55.418,-46.688) 55.774,-47.044 58.166,-47.044 v1(58.801,-47.679)
USB_DM: P1.15 U3.46 | length 10
  Top Layer w0.203: U3.46 54.486,-41.834 54.991,-41.329 57.404,-41.329 58.166,-42.091 58.166,-44.377 59.064,-45.275 P1.15
USB_DP: P1.16 U3.47 | length 10.4
  Top Layer w0.203: U3.47 54.086,-41.731 54.844,-40.973 57.551,-40.973 58.522,-41.944 58.522,-44.098 59.199,-44.775 P1.16
XIN: C44.1 U3.20 Y2.1 | length 6.7
  Top Layer w0.203: C44.1@49.784,-54.791 Y2.1@51.391,-54.791 ; C44.1 C44.1@49.961,-55.033 ; Y2.1@52.197,-54.507 52.486,-54.218 U3.20
XOUT: R35.2 U3.21 | length 2.9
  Top Layer w0.203: U3.21 52.886,-51.327 R35.2 ; R35.2@53.683,-51.87 R35.2@53.81,-51.997
pads on no net: LS1. OLED1.7 U3.37 U3.38 U3.39 U3.40 U3.43
copper on no net:
  other v1: -1.27,-66.21 -1.27,-66.21 -1.27,-66.21 -1.27,-66.21

## Polygon pours and split planes (outlines as drawn)
GND on Top Layer "Top Overlay-No Net" (hatched 45Degree grid 0.203 track 0.203, remove dead copper, pour order 12): -1.27,7.265 -1.27,-66.21 68.35,-66.21 68.35,-67.81 69.85,-67.81 69.85,8.865 68.35,8.865 68.35,7.265

## Keep-outs
Keep-Out Layer:
  lines w0.2: 17.686,2.471 17.686,-3.037 17.94,-3.037 17.94,-5.867 22.939,-5.867 22.939,-3.037 23.194,-3.037 ; 17.69,2.393 cw(c18.99,2.393) 18.99,3.693 32.29,3.693 cw(c32.29,4.193) 32.29,4.693 17.19,4.693 ccw(c17.19,4.193) 16.69,4.193 16.69,-5.007 16.69,-14.207 ccw(c17.19,-14.207) 17.19,-14.707 32.29,-14.707 cw(c32.29,-14.207) 32.29,-13.707 19.24,-13.707 cw(c19.24,-12.407) 17.94,-12.407 ; 17.94,-12.369 17.94,-8.207 19.64,-8.207 19.64,-9.477 21.24,-9.477 21.24,-8.207 22.939,-8.207 22.939,-10.707 45.641,-10.707 45.641,-8.207 50.64,-8.207 50.64,-12.407 cw(c49.34,-12.407) 49.34,-13.707 36.29,-13.707 cw(c36.29,-14.207) 36.29,-14.707 51.39,-14.707 ccw(c51.39,-14.207) 51.89,-14.207 51.89,-5.007 ; 23.19,-3.037 23.19,-0.607 cw(c24.49,-0.607) 24.49,0.693 ; 24.387,0.693 44.09,0.693 cw(c44.09,-0.607) 45.39,-0.607 45.39,-3.037 ; 45.386,-3.037 45.641,-3.037 45.641,-7.137 47.34,-7.137 47.34,-5.867 48.94,-5.867 48.94,-7.137 50.64,-7.137 50.64,-3.037 50.894,-3.037 ; 50.89,-3.037 50.89,2.471 ; 50.89,2.393 ccw(c49.59,2.393) 49.59,3.693 36.29,3.693 ccw(c36.29,4.193) 36.29,4.693 51.39,4.693 cw(c51.39,4.193) 51.89,4.193 51.89,-5.145 ; -1.27,-66.21 -1.27,7.265 68.35,7.265 68.35,8.865 69.85,8.865 69.85,-67.81 68.35,-67.81 68.35,-66.21 -1.27,-66.21 ; 8.645,-63.527 10.245,-63.527 10.245,-58.527 8.645,-58.527 8.645,-63.527 ; 8.645,-35.826 10.245,-35.826 10.245,-30.827 8.645,-30.827 8.645,-35.826 ; 58.335,-63.527 59.935,-63.527 59.935,-58.527 58.335,-58.527 58.335,-63.527 ; 58.335,-35.826 59.935,-35.826 59.935,-30.827 58.335,-30.827 58.335,-35.826

## Silkscreen, mask and mechanical layers (free items; w line width, h text height)
Top Overlay:
  lines w0.2: 12.319,-61.827 33.909,-61.827 33.909,-60.227 12.319,-60.227 12.319,-61.827
Bottom Overlay:
  drawing of 2045 lines, arcs and shapes, not listed
  text "Digital" at 11.851,-4.499 h3.81
  text "SafeBox" at 12.827,-7.487 h3.81
  text "Pico" at 61.741,-7.996 h1.14
  text "3" at 23.876,-24.284 h5
  text "2" at 36.068,-24.284 h5
  text "1" at 47.244,-24.284 h5
  text "6" at 24.003,-36.476 h5
  text "5" at 36.068,-36.476 h5
  text "4" at 48.006,-36.476 h5
  text "9" at 23.876,-48.599 h5
  text "8" at 36.068,-48.599 h5
  text "7" at 48.006,-48.599 h5
  text "#" at 24.003,-60.749 h5
  text "0" at 36.068,-60.749 h5

## Text inside footprints (layer, text, board x,y; h text height)
LS1: Top Overlay "-" at 59.933,-22.009 h0.76; Top Overlay "-" at 59.953,-25.819 h0.76; Top Overlay "-" at 60.595,-25.692 h0.76 r90
OLED1: Top Overlay "30" at 22.93,-20.289 h0.8; Top Overlay "1" at 45.898,-20.298 h0.8
P1: Top Overlay "1" at 59.896,-52.835 h0.76 r270; Top Overlay "18" at 59.896,-42.144 h0.76 r270